# Altium PCB LimeSDR-XTRX_1v0.PcbDoc (part 4 of 8)
Units mm, origin at the board's own origin, x right, y up, seen from the top; angles counter-clockwise.
Board outline 50.8 x 29.7 mm, 8 copper layers (Top, L2, L3, L4, L5, L6, L7, Bottom), stack 0.925 mm thick; 538 components, 380 nets, 2137 pads, 896 vias.
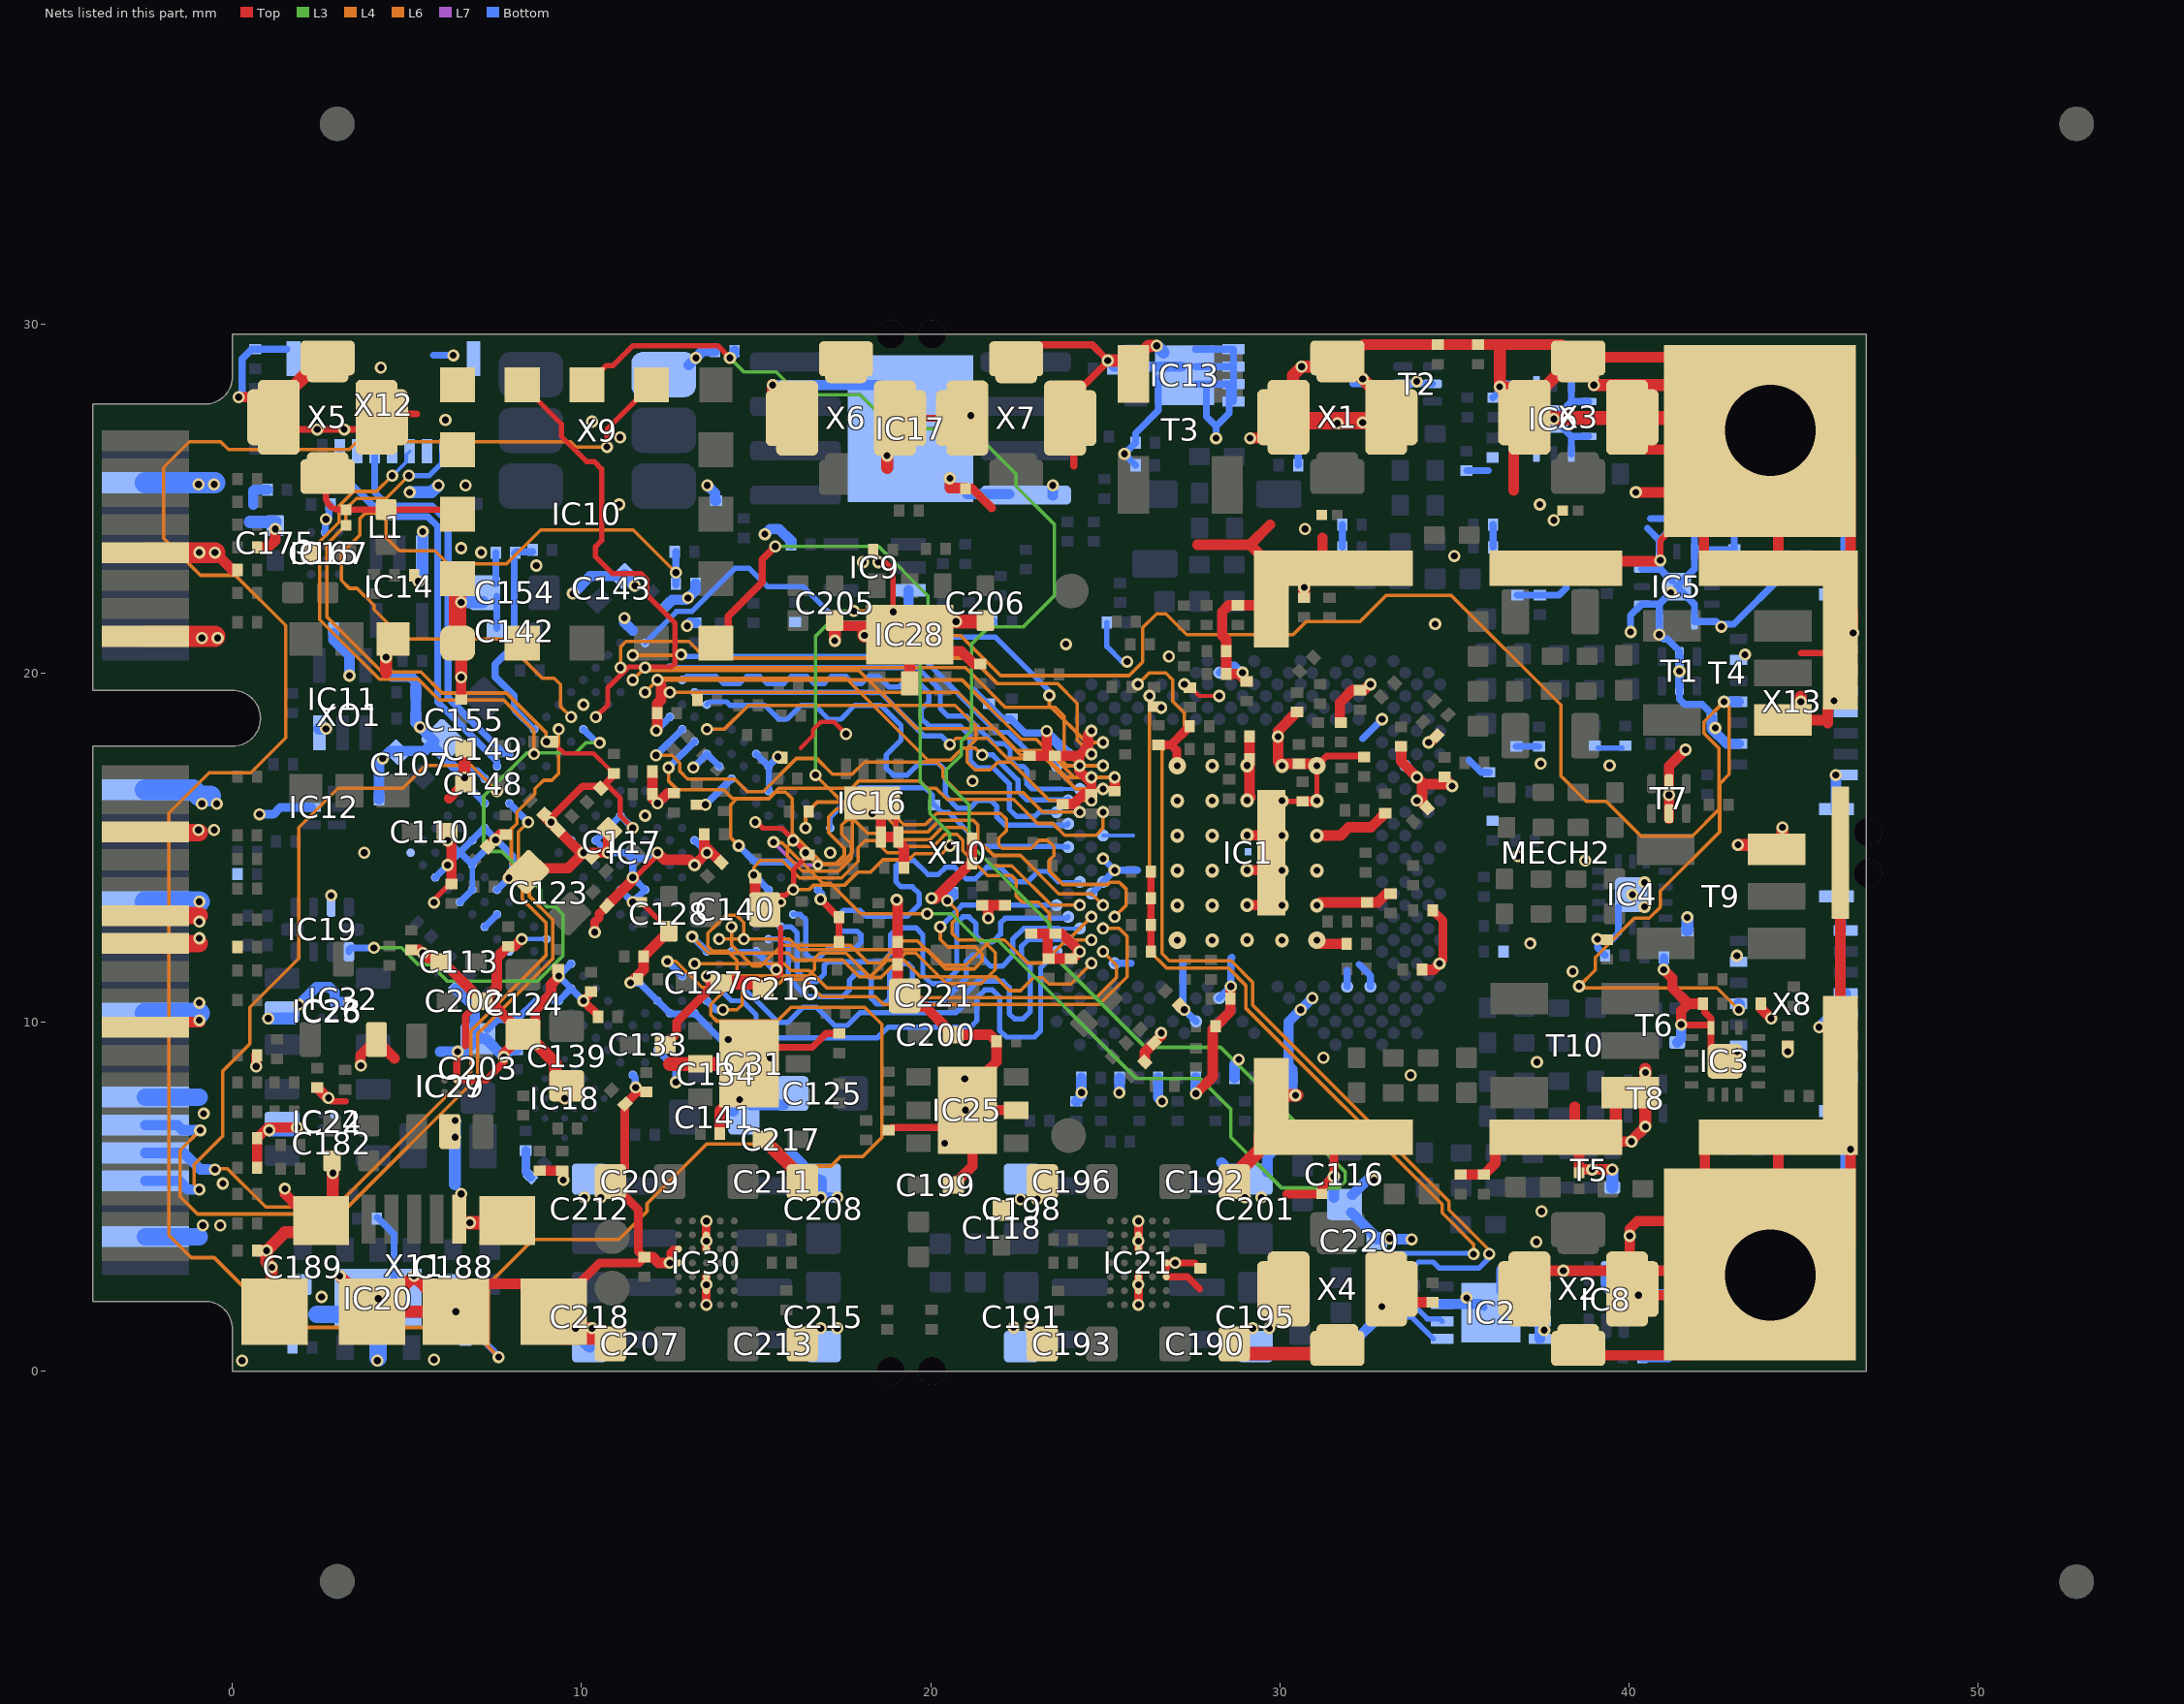
[diagram p10: the nets of this part, all layers, seen from the top]

## Via types
v1: diameter 0.35, hole 0.2, Top to Bottom, tented both sides, 748 vias
v2: diameter 0.35, hole 0.2, L5 to Bottom, tented both sides, 105 vias
v3: diameter 0.4, hole 0.2, Top to Bottom, tented both sides, 26 vias
v4: diameter 0.3, hole 0.15, L7 to Bottom, tented both sides, 13 vias
v5: diameter 0.5, hole 0.2, Top to Bottom, tented both sides, 4 vias

## Nets (pads, with @x,y where several pads share a name; then routed paths per layer and width w, separated by ;. In a path a pad name is that pad's centre, name@x,y a point inside that pad or via, vN(x,y) a via of type N, cw(c..) or ccw(c..) an arc to the next point about the centre after c; other vN are vias at no path point) (continued)
GND: C1.2 C2.1 C3.1 C4.1 C5.1 C6.2 C7.1 C8.2 C9.2 C10.2 C11.1 C12.1 C13.1 C14.1 C15.2 C16.2 C17.2 C18.2 C19.2 C20.2 C25.2 C26.2 C27.2 C28.2 C29.2 C30.2 C31.2 C32.2 C33.2 C34.2 C35.2 C36.2 C37.2 C38.2 C39.2 C40.1 C41.2 C42.2 C43.2 C44.2 C45.2 C46.2 C47.2 C48.2 C49.2 C50.2 C51.2 C52.2 C53.2 C54.1 C55.2 C56.2 C57.2 C58.2 C59.2 C60.2 C61.1 C62.2 C63.1 C64.1 C65.2 C66.2 C67.2 C68.2 C69.2 C70.2 C71.2 C72.2 C73.2 C74.2 C75.2 C76.2 C77.2 C78.2 C79.2 C80.2 C81.2 C82.2 C83.2 C84.2 C85.2 C86.2 C87.2 C88.2 C89.2 C90.2 C91.2 C92.2 C93.2 C94.2 C105.2 C106.2 C107.1 C108.2 C109.2 C110.1 C111.2 C112.2 C113.1 C114.2 C115.2 C116.1 C117.1 C118.1 C119.2 C120.2 C121.2 C122.2 C123.1 C124.1 C125.1 C126.2 C127.1 C128.1 C129.2 C130.2 C131.2 C132.2 C133.1 C134.1 C135.2 C136.2 C137.2 C138.2 C139.1 C140.1 C141.1 C142.1 C143.1 C144.2 C145.2 C146.2 C147.2 C148.1 C149.1 C150.2 C151.2 C152.2 C153.2 C154.1 C155.1 C156.2 C158.2 C159.2 C160.2 C161.2 C162.2 C163.2 C165.2 C166.1 C167.1 C168.2 C169.1 C170.2 C172.2 C173.2 C174.2 C175.1 C176.2 C177.2 C178.2 C179.2 C180.2 C181.2 C182.1 C183.2 C184.2 C185.2 C186.2 C187.2 C188.1 C189.1 C190.1 C191.1 C192.1 C193.1 C194.1 C195.1 C196.1 C197.2 C198.1 C199.1 C200.1 C201.1 C202.1 C203.1 C204.1 C205.1 C206.1 C207.1 C208.1 C209.1 C210.1 C211.1 C212.1 C213.1 C214.2 C215.1 C216.1 C217.1 C218.1 C219.1 C220.1 C221.1 C222.2 C223.2 ESD1.2 ESD2.2 ESD3.2 ESD4.2 ESD5.2 ESD6.2 IC1.AA31 IC1.AF32 IC1.AG29 IC1.AJ7 IC1.AJ9 IC1.AJ19 IC1.AK12 IC1.AK20 IC1.AL13 IC1.AL23 IC1.AM22 IC1.AN25 IC1.B18 IC1.B20 IC1.C7 IC1.C23 IC1.D20 IC1.E25 IC1.F6 IC1.G31 IC1.GND IC1.H2 IC1.J33 IC1.K4 IC1.L3 IC1.N3 IC1.T30 IC1.V30 IC1.W29 IC1.Y30 IC2.1 IC2.2 IC2.3 IC2.4 IC2.7 IC2.PAD IC3.7 IC3.EP IC4.7 IC4.EP IC5.1 IC5.3 IC5.4 IC5.6 IC5.10 IC5.12 IC5.EP IC6.1 IC6.3 IC6.4 IC6.6 IC6.10 IC6.12 IC6.EP IC7.A1 IC7.A3 IC7.A5 IC7.A7 IC7.A9 IC7.A13 IC7.A19 IC7.B3 IC7.B5 IC7.B7 IC7.B9 IC7.B12 IC7.B13 IC7.B14 IC7.C2 IC7.C3 IC7.C4 IC7.C6 IC7.C10 IC7.C12 IC7.C19 IC7.D3 IC7.E3 IC7.E17 IC7.E18 IC7.F1 IC7.F2 IC7.F19 IC7.G1 IC7.G8 IC7.G11 IC7.H7 IC7.H8 IC7.H11 IC7.H12 IC7.H18 IC7.J8 IC7.J9 IC7.J11 IC7.J12 IC7.K8 IC7.K18 IC7.L8 IC7.L9 IC7.L11 IC7.L19 IC7.M9 IC7.M13 IC7.N9 IC7.N12 IC7.N13 IC7.P2 IC7.P18 IC7.T19 IC7.U6 IC7.U9 IC7.U10 IC7.V13 IC7.V18 IC7.W1 IC7.W11 IC7.W12 IC8.2 IC9.3 IC10.1 IC10.2 IC10.4 IC10.5 IC10.16 IC11.3 IC12.2 IC13.1 IC13.2 IC13.3 IC13.4 IC13.7 IC13.PAD IC14.3 IC15.A2 IC16.3 IC16.4 IC16.PAD IC17.4 IC17.PAD IC18.C3 IC19.3 IC20.2 IC20.PAD IC21.A3 IC21.B3 IC21.C1 IC21.C3 IC21.D1 IC21.E3 IC21.F3 IC21.G3 IC22.B2 IC23.B2 IC24.2 IC25.2 IC25.PAD IC26.2 IC27.B2 IC28.2 IC28.PAD IC29.2 IC30.A3 IC30.B3 IC30.C1 IC30.C3 IC30.D1 IC30.E3 IC30.F3 IC30.G3 IC31.2 IC31.PAD IC32.2 MECH2.1 R15.1 R16.2 R24.2 R25.2 R26.2 R34.1 R48.2 R50.2 R51.1 R52.1 R53.1 R55.1 R63.2 R66.1 R68.2 R72.2 R77.1 R78.2 R88.1 R89.2 R93.1 R96.1 R98.1 R101.1 R105.2 R111.2 R114.2 R120.2 T1.2 T1.5 T2.2 T2.5 T3.1 T4.3 T5.1 T6.1 T7.2 T7.5 T8.2 T8.5 T9.1 T10.3 X1.2 X2.2 X3.2 X4.2 X5.2 X6.2 X7.2 X8.1 X8.4 X8.7 X8.9 X8.12 X8.15 X8.MP1 X8.MP2 X9.6 X10.0 X10.4 X10.9 X10.15 X10.18 X10.21 X10.26 X10.27 X10.29 X10.34 X10.35 X10.40 X10.50 X11.5 X11.6 X12.3 X12.5 X12.7 X12.MECH X13.1 X13.4 X13.7 X13.9 X13.12 X13.15 X13.MP1 X13.MP2 XO1.2 | length 534.8
  Top w0.11: C84.2@27.425,19.58 27.45,19.58 27.686,19.344 28.264,19.344 v1(28.267,19.341)
  Top w0.12: v1(9.125,15.725) 9.125,15.925 ; C150.2@9.18,18.025 9.18,18 9.27,17.91 9.294,17.91 9.507,17.697 10.342,17.697 10.81,17.229 10.81,17.21 10.9,17.12 R15.1@10.925,17.12 ; 16.275,17.85 16.625,18.2 16.625,18.375 16.85,18.6 17.225,18.6 v1(17.575,18.25)
  Top w0.15: v1@5.735,13.465 C111.2@6.225,13.955 ; C151.2@10.548,16.698 C151.2@10.566,16.68 ; 10.749,16.894 10.749,16.77 11.11,16.409 11.11,15.914 v1(11.467,15.557) ; v1@11.505,14.105 v1@12.212,14.812 ; C138.2@11.695,13.435 11.72,13.435 11.795,13.36 11.795,13.347 C128.1@12.521,12.621 ; v1(14.975,15.725) 15.022,15.725 15.197,15.55 15.74,15.55 C179.2@16.5,14.79 16.475,14.79 16.4,14.715 16.4,14.702 16.075,14.377 16.075,13.875 15.827,13.627 15.622,13.627 15.25,13.255 C140.1@15.25,13.225 15.25,13.162 15.7,12.712 15.7,11.4 15.25,10.95 C216.1@15.2,10.95 ; v1(18.5,23.175) 18.7,23.175 18.925,22.95 v1(18.925,21.75) ; IC16.4@19,15.55 IC16.PAD@19,15.946 ; MECH2.1@30.065,16.32 R16.2@30.65,16.32 ; v3(31.065,16.34) v5(31.065,17.34)
  Top w0.18: v1@2.71,7.835 2.82,7.725 3.25,7.725 ; v1@40.9,23.397 40.9,23.725 cw(c41.081,23.725) 40.953,23.853 X10.0@41.09,23.99 ; 44.925,20.575 MECH2.1@46.25,20.575
  Top w0.2: X5.2@0.975,26.975 v1(2.425,26.975) v1(3.2,26.975) X5.2@4.15,26.975 ; X5.2@4.925,27.425 5.274,27.425 ; v1@6.425,9.15 IC27.B2@6.425,8.337 7.262,8.337 7.775,8.85 v1(7.775,9) 7.775,9.1 C124.1@8.325,9.65 ; 6.675,9.325 6.675,10.175 C202.1@7.1,10.6 ; v1@9.15,15.875 10.025,16.75 C151.2@10.523,16.75 ; C151.2@10.573,16.718 R15.1@10.925,17.07 ; v1@12.509,3.1 IC30.D1@12.775,3.1 ; v1(12.525,3.1) 12.525,3.4 12.625,3.5 IC30.C1@12.775,3.5 ; IC31.PAD@15.2,9.275 16.608,9.275 17.003,9.67 R120.2@17.375,9.67 ; v1(16.845,13.514) 17.342,13.018 17.37,13.018 R72.2@17.37,12.3 ; R111.2@18.8,6.905 18.87,6.975 IC25.PAD@20.575,6.975 ; X6.2@19.102,27.3 X7.2@20.923,27.3 ; X7.2@22.9,29.4 24.63,29.4 v1@25.078,28.953 ; X7.2@24.025,28.275 24.425,28.275 v1@25.075,28.925 ; 24.1,25.925 X7.2@24.1,26.325 ; C45.2@26.307,12.015 C46.2@26.307,14.31 ; 27.702,2.356 27.358,2.7 IC21.C1@26.75,2.7 IC21.D1@26.75,3.1 v1(27,3.1) 27.565,3.1 C197.2@27.725,2.94 ; v5@31.122,17.397 31.345,17.62 32.397,17.62 C63.1@32.422,17.595 ; v1@41.5,9.914 IC3.7@42.35,9.914 ; C29.2@42.12,10.525 42.17,10.475 42.17,10.28 42.35,10.1 IC3.7@42.35,9.827 IC3.EP@42.35,9.225
  Top w0.25: X11.6@9.625,2.2 10.525,3.1 11.64,3.1 C214.2@11.8,3.26 11.625,3.435 11.625,4.625 C209.1@10.825,5.425 11.23,5.83 11.23,7.634 11.591,7.995 C135.2@11.85,7.995 ; C114.2@10.278,10.832 v1(10.053,10.607) C136.2@10.49,10.17 ; v1(10.375,12.575) 10.375,12.868 10.501,12.995 10.501,13.105 C119.2@10.723,13.327 ; C133.1@12.4,9.35 12.725,9.675 12.725,10 13.85,11.125 C127.1@14,11.125 ; v1(13.575,1.9) IC30.E3@13.575,2.7 ; IC30.C3@13.575,3.5 v1(13.575,4.3) ; ESD6.2@21,25.3 21.175,25.3 21.75,24.725 ; v1(25.95,1.9) IC21.C3@25.95,2.7 ; IC21.E3@25.95,3.5 v1(25.95,4.3) ; C37.2@26.524,17.941 26.886,17.941 ; v5(27.065,17.34) 27.045,17.36 27.045,17.781 26.886,17.941 ; C54.1@27.42,18.475 27.42,18.45 27.395,18.425 27.37,18.425 26.886,17.941 ; 30.2,5.075 ESD4.2@31.2,5.075 31.2,5.248 v1@31.538,5.587 ; v1@31.55,5.587 MECH2.1@31.55,6.35 ; C89.2@34.38,13.2 34.675,12.905 34.675,11.775 v1(34.575,11.675)
  Top w0.3: X10.35@-3.544,10 v1@-0.925,10 ; v1(-0.5,23.45) 0,22.95 C158.2@0.145,22.95 ; v1(0.175,27.9) X5.2@0.95,27.9 ; v1@0.679,8.725 R93.1@0.679,9.05 ; R98.1@0.705,5.828 R96.1@0.705,6.672 1.008,6.975 v1(1.85,6.975) ; R78.2@0.705,23.599 1.024,23.599 1.225,23.8 v1(1.225,24.125) ; v1(1.5,5.225) 1.5,5.075 X11.6@1.95,4.625 ; C223.2@2.425,8.12 2.45,8.12 2.45,8.095 2.71,7.835 2.74,7.835 v1(2.75,7.825) ; v1@3.663,8.838 3.663,9.038 IC32.2@4.125,9.5 ; IC32.2@4.113,9.487 4.64,8.96 ; R34.1@5.125,12.07 5.341,12.07 5.436,11.975 v1(5.45,11.975) 5.464,11.975 5.614,11.825 5.875,11.825 C113.1@5.975,11.725 6.025,11.725 7,10.75 7,10.7 7.1,10.6 C202.1@7.15,10.6 ; C110.1@6.15,15.45 6.275,15.325 C111.2@6.275,13.955 ; 6.206,16.406 C148.1@6.65,16.85 ; IC10.1@6.45,20.85 IC10.1@6.55,20.75 ; X11.5@6.55,4.35 v1(6.55,5.075) X11.5@6.55,4.809 ; C166.1@6.55,19.239 v1(6.55,19.875) ; X11.6@7.287,2.5 X11.6@8.312,2.5 ; C112.2@7.304,15.015 7.659,15.37 C109.2@7.825,15.37 ; v1@7.775,9.05 7.775,9.1 C124.1@8.05,9.375 ; v1(8.285,12.375) 8.08,12.17 C115.2@7.9,12.17 7.575,11.845 7.575,10.984 7.191,10.6 C202.1@7.15,10.6 ; C124.1@8.325,9.65 7.475,10.5 7.25,10.5 C202.1@7.15,10.6 ; C124.1@8.675,9.9 8.675,10.35 9.125,10.8 9.125,11.075 9.3,11.25 C122.2@9.3,11.52 ; C123.1@8.754,14.407 9.61,14.407 v1(10.053,14.85) v1(10.76,14.85) C117.1@10.76,15.504 ; C184.2@8.8,5.741 C185.2@9.446,5.741 ; C153.2@8.898,15.927 v1@10.014,14.811 ; v1(9.475,5.475) C185.2@9.475,5.741 ; C119.2@10.723,13.327 v1@11.503,14.107 ; v1(11.4,11.125) 11.777,11.502 11.777,11.877 C128.1@12.5,12.6 ; C214.2@11.8,3.26 12.04,3.26 12.2,3.1 v1(12.525,3.1) ; C146.2@12.027,17.175 C145.2@12.027,16.525 12.027,16.411 v1(12.174,16.264) 12.47,16.56 C120.2@12.65,16.56 ; v1(12.138,18.35) 12.165,18.377 C144.2@12.165,18.85 12.165,19.12 12.275,19.23 12.275,19.65 ; v1@12.212,14.812 12.374,14.65 13.081,14.65 v1(13.234,14.496) v1@13.56,14.822 ; v1@13.515,14.915 C132.2@13.515,15.375 ; v1(13.588,14.85) v1@13.598,14.84 ; v1@13.598,14.823 13.598,14.973 C130.2@13.998,14.573 ; C219.1@13.96,6.805 13.96,7.456 14.175,7.671 IC31.PAD@14.175,7.75 ; C140.1@14.975,13.5 C131.2@14.975,14.12 ; v1@15.603,17.597 v1(15.628,17.597) C105.2@15.74,17.597 ; C205.1@17.25,21.5 17.4,21.35 IC28.PAD@18.35,21.35 ; v1@18.05,21.075 18.05,21.33 ; v1(18.1,21.075) 18.1,21.35 ; IC16.PAD@18.575,15.929 IC16.3@18.575,15.3 IC16.4@19.075,15.3 19.075,15.15 19.23,14.995 R66.1@19.23,14.425 ; v1@19.055,13.5 C178.2@19.055,12.3 19.055,10.928 C221.1@19.25,10.733 ; C221.1@19.25,10.75 C221.1@19.25,10.733 ; IC28.2@19.4,19.7 IC28.PAD@19.4,21.1 ; v1@20.025,13.525 20.125,13.525 21.186,14.586 C77.2@21.186,15.258 ; IC28.PAD@20.1,20.625 20.875,20.625 21.24,20.26 C210.1@21.42,20.26 ; C200.1@20.496,9.79 19.853,10.433 19.55,10.433 C221.1@19.25,10.733 ; v1@20.547,25.541 20.547,25.3 ESD6.2@21,25.3 ; C200.1@20.646,9.636 21.699,9.636 21.865,9.47 21.89,9.47 C204.1@21.89,9.445 21.89,8.865 IC25.PAD@21.575,8.55 ; C199.1@20.65,5.325 21.2,5.875 IC25.PAD@21.2,6.7 ; IC25.PAD@21.397,7.475 IC25.2@22.45,7.475 ; C80.2@21.475,13.34 C79.2@22.13,13.34 ; IC25.PAD@21.5,6.525 IC25.PAD@21.5,7.025 ; v1(21.65,12.975) 21.65,13.312 ; C42.2@22.83,17.629 C43.2@23.4,17.629 ; C74.2@22.875,12.531 23.756,12.531 v1(24.271,12.015) C82.2@24.073,11.817 ; v1(23.325,18.337) 23.325,17.704 C43.2@23.4,17.629 ; 23.35,12.521 C81.2@23.35,11.817 ; C81.2@23.375,11.817 C81.2@23.35,11.817 ; C36.2@23.785,16.238 24.088,16.238 24.38,16.53 C35.2@24.6,16.53 24.6,16.85 24.254,17.196 24.254,17.629 ; C82.2@24.079,11.817 C81.2@23.35,11.817 ; v1(24.604,18.342) 24.604,18.329 24.512,18.237 24.512,17.887 24.254,17.629 ; C93.2@26.135,8.86 26.135,9.14 C91.2@26.398,9.402 26.602,9.606 v1(26.602,9.684) ; C55.2@27.123,10.495 v1(27.268,10.35) ; v1(27.6,7.95) 28.075,8.425 28.075,9.789 C87.2@28.161,9.875 28.161,9.9 28.186,9.9 28.586,10.3 C41.2@28.586,10.675 v1@28.586,10.988 ; 27.641,23.675 29.15,23.675 ; C86.2@29.05,19.755 28.83,19.975 C66.2@28.469,19.975 C67.2@28.469,20.625 28.469,20.956 28.35,21.075 28.35,21.75 28.535,21.935 C38.2@28.8,21.935 MECH2.1@29.759,21.935 ; v3(29.065,13.35) MECH2.1@29.49,13.35 ; v3(29.065,14.35) MECH2.1@29.49,14.35 ; v3(29.065,15.35) MECH2.1@29.49,15.35 ; v3(29.065,16.35) v3@29.16,16.446 ; v3@29.135,16.446 C52.2@29.135,18.18 ; v1(29.15,26.725) X1.2@30.55,26.725 ; MECH2.1@29.725,23.1 29.15,23.675 ; 29.725,24.25 29.15,23.675 ; v3(30.065,17.34) 29.95,17.455 29.95,18.336 C85.2@30.495,18.881 ; v3@30.065,17.395 C94.2@30.55,17.395 v5@31.065,17.395 ; X1.2@30.123,27.325 X1.2@33.177,27.325 ; R16.2@30.65,16.32 v3@31.065,16.32 ; v5(31.065,12.34) 31.165,12.24 C68.2@31.917,12.24 ; v3(31.065,13.34) 31.155,13.43 C61.1@32.5,13.43 32.806,13.43 33.056,13.68 C69.2@33.175,13.68 ; v3(31.065,15.34) 31.74,15.34 31.975,15.575 32.612,15.575 32.677,15.64 32.681,15.64 C40.1@33.024,15.983 ; MECH2.1@31.225,23.062 31.225,23.875 ; C92.2@31.725,18.58 31.725,19.15 32.08,19.505 C50.2@32.3,19.505 32.414,19.505 32.583,19.674 v1(32.597,19.674) ; X1.2@31.875,28.875 32.405,29.405 38.07,29.405 X3.2@38.55,28.925 ; X4.2@32.925,1.97 C1.2@34.375,1.97 ; C48.2@33.475,17.895 33.475,17.464 34.075,16.864 34.075,16.283 C49.2@34.22,16.138 ; C60.2@34.08,11.5 34.4,11.5 v1(34.575,11.675) ; 34.2,16.814 v1@34.78,16.814 ; v1@34.298,18.002 C83.2@34.498,18.202 ; C62.2@34.725,16.97 v1(34.937,16.758) ; C20.2@35.302,5.63 C19.2@35.85,5.63 36.175,5.955 MECH2.1@36.175,6.575 ; v1(36.3,28.2) X3.2@36.845,28.2 ; 36.7,25.225 36.7,26.875 X3.2@37.15,27.325 ; X2.2@37.25,2.875 v1(38.125,2.875) X10.0@41.179,2.875 ; MECH2.1@38.45,6.825 38.45,7.575 ; MECH2.1@38.575,6.525 38.575,5.775 v1(38.95,5.775) v1(39.525,5.775) ; X2.2@38.725,0.45 X10.0@41.779,0.45 ; X3.2@38.775,29.05 X10.0@44.44,29.05 ; v1(39,28.25) X3.2@39,28.95 ; MECH2.1@39.25,23.2 v1@40.9,23.2 ; X3.2@39.55,26.4 X10.0@45.215,26.4 ; MECH2.1@39.65,6.575 v1(40.075,6.575) ; v1@40.05,6.575 v1(40.475,7) ; v1(40.2,25.175) X10.0@41.7,25.175 ; X3.2@40.25,27.325 X10.0@45.915,27.325 ; v1(41,11.5) 41.25,11.25 41.25,10.975 41.7,10.525 ; T7.5@41.15,15.825 41.15,17.325 v1(41.625,17.8) ; v1(41.5,9.925) 41.5,10.325 41.7,10.525 ; X10.0@41.65,4.3 40.25,4.3 40.025,4.075 v1(40.025,3.875) 40.025,2.425 v1(40.275,2.175) X10.0@43.329,2.175 ; C29.2@42.12,10.525 41.7,10.525 ; MECH2.1@42.15,23.275 X10.0@42.15,26.329 ; X10.0@42.175,3.421 MECH2.1@42.175,6.475 ; C30.2@43.78,10.525 43.78,10.395 v1(44.075,10.1) ; X10.0@44.284,3.646 MECH2.1@44.284,6.7 ; MECH2.1@44.284,23 X10.0@44.284,26.054 ; v1(44.55,9.15) C33.2@44.55,9.32 ; T4.3@45.075,18.65 45.5,18.65 ; 45.7,18.563 MECH2.1@45.7,18.987 ; MECH2.1@46.059,8.475 MECH2.1@46.059,14.85 ; MECH2.1@46.15,22.025 46.425,21.75 v1(46.425,21.15) ; X10.0@46.35,3.621 MECH2.1@46.35,6.675 ; MECH2.1@46.35,23.125 X10.0@46.35,26.179 ; C43.2@23.4,17.629 C43.2@23.564,17.629 24.254,17.629
  Top w0.35: R101.1@0.73,3.45 v1(0.975,3.45) 0.975,3.125 v1(1.125,2.975) X11.6@1.125,2.125 ; v1(0.975,3.45) 1.5,3.975 X11.6@2.325,3.975 ; X11.6@2.875,4.65 C182.1@2.875,6.1 ; v1(3.075,2.725) X11.6@3.4,2.4 ; X11.6@4,1.7 X11.6@6.273,1.7 ; 4.4,20.013 XO1.2@4.4,20.887 ; X11.6@4.875,2.4 v1(5.2,2.725) X11.6@5.525,2.4 ; v1(6.55,19.875) IC10.1@6.55,20.75 ; C148.1@6.65,16.85 C149.1@6.65,17.814 ; v1(7.917,14.129) C123.1@8.145,14.357 ; C124.1@8.65,9.425 9.25,8.825 9.25,8.075 v1(9.516,7.809) ; X11.6@9.84,1.225 v1(10.3,1.225) ; v1@13.613,11.289 C127.1@13.753,11.15 ; C217.1@15.2,6.635 C211.1@16.368,5.468 ; X6.2@15.475,27.901 v1(15.475,28.25) ; v1(17.25,20.925) C205.1@17.25,21.314 ; 18.75,25.876 v1(18.75,26.225) ; v1(25.075,28.95) T3.1@25.6,28.95 ; T3.1@25.805,28.565 25.805,28.929 26.251,29.375 v1(26.475,29.375) ; X1.2@30.123,27.15 X1.2@33.177,27.15 ; MECH2.1@30.245,7.9 v1@30.5,7.9 ; X1.2@30.377,27.325 30.377,28.527 v1(30.625,28.775) X1.2@30.974,28.775 ; C51.2@30.7,22.18 MECH2.1@30.7,22.562 ; X1.2@32.128,28.672 v1(32.375,28.425) X1.2@32.622,28.178 ; v1@36.3,28.175 36.3,29.375 ; X3.2@37.625,28.225 X3.2@38.15,28.75 ; v1(39,28.25) X10.0@44.665,28.25 ; MECH2.1@39.625,6.9 T10.3@39.625,7.675 ; v1@40.475,7.05 v1@40.475,8.65 ; v1(43.125,15.075) 44.098,15.075 T9.1@44.228,14.945 44.4,15.117 v1(44.4,15.575) ; T4.3@44.925,19.042 v1@44.925,19.325
  Top w0.4: X5.2@1.627,28.077 X5.2@2.175,28.625 ; X11.5@6.534,4.25 7.803,4.25 X11.6@7.867,4.314 ; 12.527,8.8 IC31.2@13.4,8.8 IC31.PAD@14.375,8.8 ; C127.1@13.728,11.175 13.95,11.175 C127.1@14,11.125 14.975,11.125 15.15,10.95 C216.1@15.2,10.95 ; v1(18.1,21.075) IC28.PAD@19.5,21.075 ; IC28.PAD@20.475,21.475 C206.1@21.565,21.475 ; C192.1@28.7,5.552 28.7,5.6 29.45,6.35 29.45,6.737 MECH2.1@29.787,6.737 ; 29.15,0.5 X4.2@31.2,0.5 ; X3.2@37.023,27.3 X10.0@42.688,27.3
  Top w0.5: X10.29@-2.5,12.25 v1@-0.95,12.25 ; X10.27@-2.5,13.05 -0.95,13.05 ; X10.21@-2.5,15.425 v1@-0.95,15.425 ; IC10.1@6.45,20.85 6.45,22.025 IC10.2@6.45,22.7
  Top w0.6: X10.15@-2.5,21.05 v1@-0.5,21.05 ; X10.9@-2.5,23.45 v1(-0.5,23.45) ; X11.6@9.425,1.05 10.55,1.05 C207.1@10.825,0.775
  Bottom w0.11: IC1.T30@24.937,15.345 25.805,15.345
  Bottom w0.12: v1(8.285,12.375) IC7.C10@8.992,12.375
  Bottom w0.15: IC7.B5@6.871,13.789 IC7.C4@6.871,14.496 ; C72.2@25.045,21.45 25.045,20.755 25.475,20.325 v1(25.625,20.325) ; C15.2@39.127,17.845 C11.1@39.799,17.845
  Bottom w0.18: IC7.K18@14.295,12.022 14.307,12.01 IC7.L19@15.014,12.01 ; IC7.V13@15.356,16.618 15.367,16.629 IC7.W12@15.367,17.313
  Bottom w0.2: v1(0.175,27.9) 0.275,28 0.275,29 0.55,29.275 C180.2@0.65,29.275 X12.MECH@1.55,29.275 ; IC15.A2@2.65,24.025 2.66,24.035 2.66,24.269 2.725,24.334 2.725,24.416 2.765,24.455 2.765,24.78 C181.2@2.81,24.825 ; R105.2@4.15,4.4 4.625,3.925 IC20.PAD@4.625,2.671 ; 5.755,29.1 v1(6.325,29.1) ; IC7.A3@5.81,14.143 v1(6.163,14.496) ; IC7.B3@6.138,14.484 IC7.C3@6.503,14.85 ; IC7.C2@6.163,15.19 IC7.C3@6.517,14.836 ; IC7.A5@6.517,13.436 IC7.B5@6.871,13.789 ; IC7.C4@6.85,14.53 v1(7.538,15.218) ; IC7.C4@6.871,14.51 6.517,14.864 IC7.C3@6.503,14.85 ; IC7.E3@7.211,15.557 IC7.C3@6.503,14.85 ; IC7.A7@7.224,12.729 IC7.B7@7.578,13.082 ; IC7.E3@7.224,15.557 8.025,14.756 8.025,14.237 IC7.C6@7.578,13.789 ; IC7.F2@7.224,16.278 6.65,16.852 v1(6.65,17) 6.85,17.2 7.009,17.2 IC7.G1@7.224,16.985 ; C203.1@7.3,9.775 7.6,10.075 8.15,10.075 ; C154.1@7.54,22.55 C162.2@7.54,23.445 ; C142.1@7.575,21.274 C154.1@7.575,22.2 ; R77.1@8.15,9.205 8.15,10.075 ; v1@9.151,15.751 IC7.H7@9.699,15.204 v1(10.053,14.85) IC7.G8@9.699,14.496 ; IC7.B13@9.699,10.961 IC7.A13@9.345,10.607 9.336,10.617 9.3,10.617 9.292,10.625 8.7,10.625 8.15,10.075 ; IC7.C12@9.699,11.668 v1(9.345,11.314) v1(10.053,10.607) ; IC7.G11@10.76,13.436 IC7.H11@11.113,13.789 ; v1(11.4,11.125) 11.408,11.117 11.664,11.117 IC7.E17@12.174,10.607 IC7.E18@12.527,10.254 12.537,10.244 12.572,10.244 12.584,10.232 13.2,10.232 13.221,10.254 IC7.F19@13.234,10.254 13.988,9.5 v1(14.2,9.5) ; IC7.A19@11.467,8.486 11.467,8.473 11.535,8.404 11.535,8.14 v1(11.55,8.125) ; v1(11.467,15.557) IC7.L8@11.113,15.911 IC7.K8@10.76,15.557 IC7.J8@10.406,15.204 v1(10.76,14.85) 11.3,14.85 11.467,14.683 ; v1(12.138,18.35) IC7.U6@12.527,18.739 ; IC7.C19@12.174,9.193 12.7,8.667 v1(12.7,8.275) ; v1(12.174,14.85) 12.007,14.683 11.467,14.683 ; v1(13.199,17.289) IC7.U9@13.588,17.678 IC7.U10@13.942,17.325 ; v1(13.234,14.496) v1(13.588,14.85) IC7.N12@13.234,15.204 ; IC7.W11@15.002,17.678 IC7.W12@15.356,17.325 v1(15.628,17.597) ; IC7.L19@15.014,12.01 v2@15.549,11.474 ; IC7.T19@16.77,13.789 16.77,13.776 16.891,13.654 16.891,13.518 v1@16.92,13.489 ; 21.234,19.511 22.05,18.695 22.28,18.695 22.695,18.28 v1@23.335,18.28 ; IC1.AA31@24.604,13.68 25.274,14.35 25.925,14.35 ; v1(24.937,14.679) v1(25.27,14.346) ; IC1.AG29@25.27,11.682 25.741,11.682 ; C18.2@25.87,26.6 25.87,26.87 26.525,27.525 IC13.PAD@26.525,28.45 ; C13.1@25.873,25.952 v2(25.55,26.275) C18.2@25.872,26.597 ; 27.226,11.674 27.226,10.498 27.24,10.485 27.24,10.379 v1(27.268,10.35) IC1.AM22@27.601,10.017 ; IC13.PAD@27.575,28.275 28.55,28.275 28.55,27.445 28.175,27.07 ; IC13.PAD@27.575,28.775 IC13.2@28.675,28.775 ; IC13.PAD@27.575,29.275 IC13.1@28.675,29.275 IC13.4@28.675,27.775 ; IC13.PAD@27.9,28.25 27.9,27.345 28.175,27.07 ; v1(28.175,26.725) 28.175,27.07 ; IC1.AK20@28.267,10.683 v1(28.6,11.016) 28.6,11.825 28.625,11.85 ; IC1.B20@28.267,20.007 28.485,20.225 28.716,20.225 v1(28.933,20.007) ; C14.1@30.53,25.95 C17.2@30.53,26.6 ; C4.1@31.79,23.6 C8.2@31.79,24.25 ; IC1.AJ9@31.931,11.016 31.931,11.487 ; 32.1,28.28 T2.5@33.525,28.28 T2.2@34.375,28.28 ; 32.275,11.65 32.597,11.328 IC1.AJ7@32.597,11.016 ; 32.377,18.123 v1(32.93,18.675) ; R24.2@35.35,25.795 35.973,25.795 ; 35.425,17.5 35.77,17.155 C65.2@36,17.155 ; IC2.PAD@35.75,1.925 IC2.PAD@35.85,1.825 ; C28.2@36.1,27.885 36.49,28.275 IC6.10@37.35,28.275 37.35,27.775 v1(37.85,27.275) ; C7.1@36.11,23.6 C10.2@36.11,24.25 ; C5.1@36.775,17.895 C9.2@37.425,17.895 ; C3.1@36.8,22.23 C6.2@37.45,22.23 37.997,22.23 38.209,22.441 ; IC6.6@37.35,26.402 37.35,26.775 v1(37.85,27.275) ; IC6.4@38.35,26.275 38.35,26.763 ; IC6.12@38.35,28.275 38.35,27.775 ; C12.1@38.725,22.83 C16.2@39.375,22.83 ; IC6.3@38.85,26.775 38.35,26.775 v1(37.85,27.275) ; IC6.1@38.85,27.775 38.35,27.775 ; C31.2@39.319,11.91 39.1,12.129 v1(39.1,12.375) 39.525,12.375 39.7,12.55 IC4.7@39.7,12.697 IC4.EP@39.7,13.3 ; v1(40.05,21.175) 40.05,21.65 IC5.1@40.375,21.975 40.863,21.975 ; IC5.3@40.375,22.975 40.9,22.975 ; 40.53,24.145 40.875,23.8 ; 40.625,24.425 X10.0@41.113,24.425 ; IC5.12@40.875,21.372 v2(40.875,21.1) 41,20.975 41.1,20.975 41.451,20.624 T1.5@41.451,20.475 ; IC5.12@40.875,21.475 40.875,21.975 v1(41.2,22.3) ; IC5.4@40.875,23.475 40.875,23.8 ; v1(40.9,23.225) 40.9,22.975 ; IC5.EP@41.245,22.63 40.9,22.975 ; X10.0@41.35,24.275 40.875,23.8 ; T1.2@41.451,19.625 41.451,19.249 41.6,19.1 42.1,19.1 42.375,18.825 R25.2@42.375,18.7 ; IC5.6@41.875,23.535 C25.2@43.02,23.535 X10.0@43.02,24.023 ; X10.0@41.875,23.963 IC5.6@41.875,23.475 41.875,22.975 IC5.EP@41.375,22.475 41.875,21.975 IC5.10@41.875,21.475 42.5,21.475 v1@42.575,21.4 ; v1(42.65,21.325) v1@42.575,21.4 ; C27.2@44.425,22.82 43.005,21.4 v1@42.575,21.4 ; IC7.H11@11.113,13.789 v1(11.467,14.143) ; IC7.H11@11.113,13.789 v1(11.467,13.436) IC7.J12@11.82,13.789 v1(11.467,14.143) ; v1(11.467,14.143) 11.467,14.683 ; v1(37.85,27.275) 38.35,27.775